# Altium PCB ruler.PcbDoc (part 1 of 3)
Units mm, origin at the board's own origin, x right, y up, seen from the top; angles counter-clockwise.
Board outline 306.81 x 38.35 mm, 2 copper layers (Top Layer, Bottom Layer); 47 components, 0 nets, 446 pads, 8 vias.
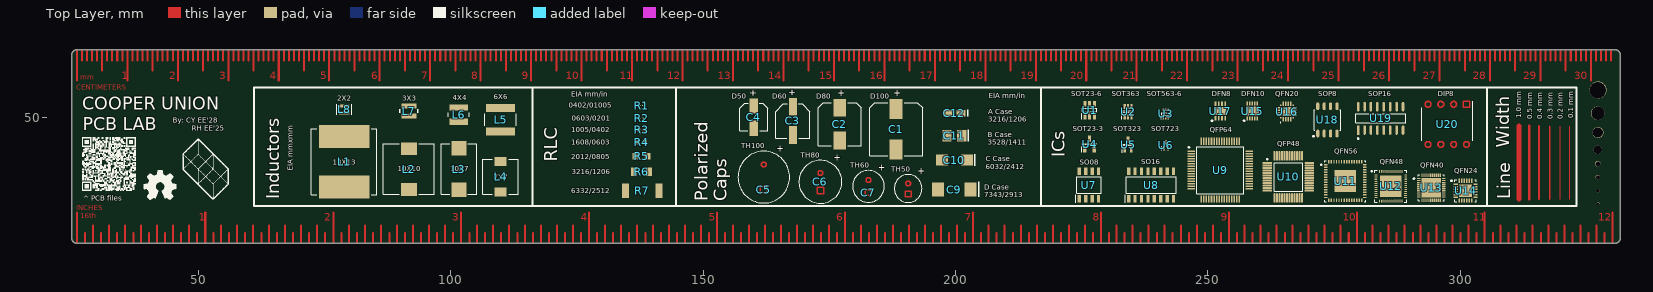
[diagram p0: Top Layer view]
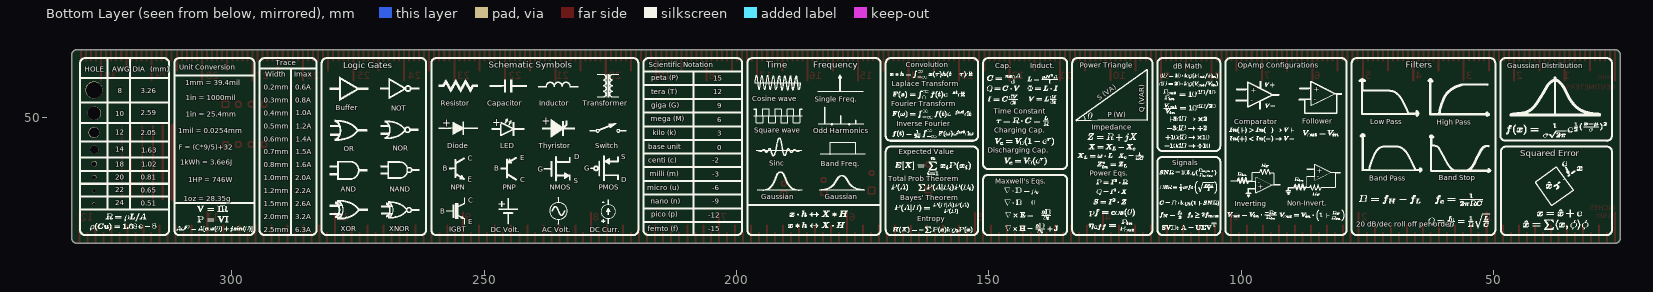
[diagram p1: Bottom Layer view, seen from below]

## Layer stack, top to bottom
Top Solder: solder mask 0.0102, Solder Resist, Dk 3.5
Top Layer: signal copper 0.0356
Dielectric 1: dielectric 0.32, FR-4, Dk 4.8
Bottom Layer: signal copper 0.0356
Bottom Solder: solder mask 0.0102, Solder Resist, Dk 3.5

## Board outline
24.9,26.019 24.9,62.373 cw(c25.9,62.373) 25.9,63.373 330.708,63.373 cw(c330.708,62.373) 331.708,62.373 331.708,26.019 cw(c330.708,26.019) 330.708,25.019 25.9,25.019 cw(c25.9,26.019)

## Design rules (kind name [scope] priority, off if disabled: settings)
Clearance [All] p1: gap=0.15 ignorepadtopadclearanceinfootprint=FALSE
HoleSize [All] p1: absolutevalues=TRUE maxlimit=6 minlimit=0.025 maxpercent=80.000 minpercent=20.000
MinimumSolderMaskSliver [All] p1: minsoldermaskwidth=0.1
PolygonConnect [All] p1: connectstyle=Relief reliefconductorwidth=0.254 reliefentries=4 polygonreliefangle="90 Angle" airgapwidth=0.254
RoutingVias [All] p1: holewidth=0.711 width=1.27 viastyle="Through Hole" minholewidth=0.125 minwidth=0.125 maxholewidth=6.3 maxwidth=6.3
SilkToSilkClearance [All] p1: silktosilkclearance=0.15
SilkToSolderMaskClearance [IsPad] p1: minsilkscreentomaskgap=0.15 clearancetoexposedcopper=TRUE
SolderMaskExpansion [All] p1: expansion=0.102 istentingtop=FALSE
UnRoutedNet [All] p1 off:
Width [All] p1: maxlimit=1 minlimit=0.1 preferedwidth=0.254
25 further rules are at their usual default settings.

## Components (designator, comment, footprint, x,y, rotation, side; value= is the part's Value field where it differs from the comment)
C1 "UWT1E471MNL1GS" FP-UWT1E471MNL1GS-MFG 188.214,47.625 r90 top
C2 "UWT1H101MNL1GS" FP-UWT1H101MNL1GS-MFG 177.038,48.641 r90 top
C3 "865080343009" WCAP-ASLI_D6.3H5.5 167.767,49.276 r90 top
C4 "865080642006" WCAP-ASLI_D5H5.5 160.02,50.038 r90 top
C5 "UHE1H221MPD" CAPPRD500W60D1025H1750 162.016,35.64 r90 top
C6 "860040674004" WCAP-ATUL_D8H11.5 173.228,37.211 r270 top
C7 "ESK107M025AE3AA" CAPPRD250W50D630H1250 182.753,35.06 r90 top
C8 "860020672006" WCAP-ATG5_D5H11 1460.627,-1234.11 r270 top
C9 "EEF-HX0D561R4" HX_Series 199.771,35.687 r180 top
C10 "T491C335K035AT" T491C 199.771,41.529 r180 top
C11 "T495B475K016ATE800" T495B 199.771,46.355 r0 top
C12 "T494A226M010AT" T494A 199.771,50.8 r0 top
L1 "HC1-100-R" HC1100R 78.867,41.195 r90 top
L2 "SLF10145T-681MR38" SLF10145 91.694,39.751 r90 top
L3 "FP1010R1-R150-R" FP1010R1R150R 101.6,39.751 r90 top
L4 "SRR7045-102M" SRR7045102M 109.855,38.227 r0 top
L5 "NR6028T470M" FP-NR6028-MFG 109.855,49.53 r270 top
L6 "NRS4018T220MDGJ" FP-NR4018-MFG 101.6,50.512 r270 top
L7 "VLS3010CX-100M-1" VLS3010 91.694,51.21 r270 top
L8 "NRS2012T2R2MGJ" FP-NRS2012-MFG 78.886,51.562 r90 top
R1 "ERJ-XGNJ180Y" ERJXG_(01005) 137.795,52.324 r0 top
R2 "ERJ-1GJF3003C" ERJ1GJJ2R4C 137.795,49.784 r0 top
R3 "ERJ-PA2J3R3X" RESC1005X40N 137.795,47.498 r0 top
R4 "ERA-3ARB112V" ERA3AEB101V 137.795,45.085 r0 top
R5 "ERJ-UP6D1100V" ERJUP6 137.795,42.291 r0 top
R6 "ERA-8AEB102V" RESC3216X70N 137.795,39.243 r0 top
R7 "ERJ-1TRQFR68U" ER1TR_(2512) 137.922,35.433 r0 top
U1 "MCP1501T-20E_CHY" SOT95P280X145-6N 226.568,51.435 r90 top
U2 "DCX114EU-7-F" SOT65P210X110-6N 234.188,51.11 r90 top
U3 "NSBC114EPDXV6T1G" SOTFL50P160X60-6N 241.681,50.673 r90 top
U4 "MCP1799T-5002H_TT" SOT95P237X112-3N 226.568,44.704 r90 top
U5 "BAV99WT1G" SOT65P220X100-3N 234.188,44.577 r90 top
U6 "DTC143ZMT2L" SOT40P120X55-3N 241.681,44.45 r90 top
U7 "LP2998MA_NOPB" SOIC127P600X175-8N 226.441,36.576 r90 top
U8 "LT1184CS#PBF" SOIC127P599X175-16N 238.76,36.576 r90 top
U9 "XMC1404F064X0200AAXUMA1" QFP50P1200X1200X160-64N 252.476,39.547 r0 top
U10 "EFM32TG222F32-QFP48" ENMR-TQFP48_M 265.938,38.197 r0 top
U11 "USB3250-ABZJ" FP-56QFN-4304-8x8B-MFG 277.241,37.36 r0 top
U12 "AS3604B-ZQFP" AMS-QFN-48-6000X6000DE-4300X4300TP_L 286.258,36.322 r0 top
U13 "EFR32BG22C224F512IM40-C" FP-EFR32BG22C224F512IM40-MFG 294.259,36.035 r0 top
U14 "CP2102N-A01-GQFN24" SLAB-QFN-24-2550x2550TP_A_V 301.072,35.447 r0 top
U15 "C8051F527A-IM" SON50P300X300X100-11N-D 258.826,51.236 r90 top
U16 "EFM8BB51F16I-C-QFN20R" EFM8BB51F16ICQFN20R 265.68,51.136 r90 top
U17 "PIC12LF1822T-I_MF" SON65P300X300X100-9N-D 252.476,51.236 r90 top
U18 "R1EX24032ASAS0I#S0" SOP127P600X173-8_PRSP0008DF-B_N 273.685,49.487 r90 top
U19 "ST232BDR" FP-SO-16-0016020D-IPC_C 284.226,49.784 r90 top
U20 "SN75454BPE4" DIP794W53P254L959H508Q8N 297.434,48.6 r270 top

## Footprints (in the part's own frame and the unit in brackets; to place one, negate y for a bottom-side part, rotate by r counter-clockwise, add the part's x,y. Pads: shape width x height; smd on the part's side, far side on the other; paste and mask are expansions set on the pad)
AMS-QFN-48-6000X6000DE-4300X4300TP_L [mm] "QFN, 48-Leads, Body 6.00x6.00mm, Pitch 0.40mm, Thermal Pad 4.30x4.30mm, IPC High Density"
  oval 0.6x0.2 smd mask+0: 1(-2.95,2.2) 2(-2.95,1.8) 3(-2.95,1.4) 4(-2.95,1) 5(-2.95,0.6) 6(-2.95,0.2) 7(-2.95,-0.2) 8(-2.95,-0.6) 9(-2.95,-1) 10(-2.95,-1.4) 11(-2.95,-1.8) 12(-2.95,-2.2) 25(2.95,-2.2) 26(2.95,-1.8) 27(2.95,-1.4) 28(2.95,-1) 29(2.95,-0.6) 30(2.95,-0.2) 31(2.95,0.2) 32(2.95,0.6) 33(2.95,1) 34(2.95,1.4) 35(2.95,1.8) 36(2.95,2.2)
  oval 0.2x0.6 smd mask+0: 13(-2.2,-2.95) 14(-1.8,-2.95) 15(-1.4,-2.95) 16(-1,-2.95) 17(-0.6,-2.95) 18(-0.2,-2.95) 19(0.2,-2.95) 20(0.6,-2.95) 21(1,-2.95) 22(1.4,-2.95) 23(1.8,-2.95) 24(2.2,-2.95) 37(2.2,2.95) 38(1.8,2.95) 39(1.4,2.95) 40(1,2.95) 41(0.6,2.95) 42(0.2,2.95) 43(-0.2,2.95) 44(-0.6,2.95) 45(-1,2.95) 46(-1.4,2.95) 47(-1.8,2.95) 48(-2.2,2.95)
  rect 4.3x4.3 smd mask+0: ""(0,0)
  silkscreen extent -3.92,-3.15 3.15,3.15, body extent -3,-3 3,3, height 0.9
CAPPRD250W50D630H1250 [mm]
  silkscreen extent -1.9,-3.15 4.4,3.15, body extent -2.14,-3.4 4.64,3.4, height 12.3
CAPPRD500W60D1025H1750 [mm]
  silkscreen extent -2.62,-5.13 7.62,5.13, body extent -2.5,-4.99 7.53,4.99, height 17.52
DIP794W53P254L959H508Q8N [mm]
  silkscreen extent -4.53,-5.08 3.3,5.08, body extent -4.1,-4.64 4.1,4.64, height 4.21
EFM8BB51F16ICQFN20R [mm]
  rect 0.3x0.3 smd mask+0: 1(-1.25,1.25) 6(-1.25,-1.25) 11(1.25,-1.25) 16(1.25,1.25)
  rect 0.9x0.3 smd mask+0: 2(-1.55,0.75) 3(-1.55,0.25) 4(-1.55,-0.25) 5(-1.55,-0.75) 12(1.55,-0.75) 13(1.55,-0.25) 14(1.55,0.25) 15(1.55,0.75)
  rect 0.3x0.9 smd mask+0: 7(-0.75,-1.55) 8(-0.25,-1.55) 9(0.25,-1.55) 10(0.75,-1.55) 17(0.75,1.55) 18(0.25,1.55) 19(-0.25,1.55) 20(-0.75,1.55)
  rect 1.8x1.8 smd mask+0: 21(0,0)
  silkscreen extent -2.2,1.2 -2.1,1.3, body extent -1.5,-1.5 1.5,1.5, height 0.9
ENMR-TQFP48_M [mm] "QFP, 48-Leads, Body 7x7mm, Pitch 0.5mm, IPC Low Density"
  oval 1.9x0.4 smd mask+0: 1(-4.175,2.75) 2(-4.175,2.25) 3(-4.175,1.75) 4(-4.175,1.25) 5(-4.175,0.75) 6(-4.175,0.25) 7(-4.175,-0.25) 8(-4.175,-0.75) 9(-4.175,-1.25) 10(-4.175,-1.75) 11(-4.175,-2.25) 12(-4.175,-2.75) 25(4.175,-2.75) 26(4.175,-2.25) 27(4.175,-1.75) 28(4.175,-1.25) 29(4.175,-0.75) 30(4.175,-0.25) 31(4.175,0.25) 32(4.175,0.75) 33(4.175,1.25) 34(4.175,1.75) 35(4.175,2.25) 36(4.175,2.75)
  oval 0.4x1.9 smd mask+0: 13(-2.75,-4.175) 14(-2.25,-4.175) 15(-1.75,-4.175) 16(-1.25,-4.175) 17(-0.75,-4.175) 18(-0.25,-4.175) 19(0.25,-4.175) 20(0.75,-4.175) 21(1.25,-4.175) 22(1.75,-4.175) 23(2.25,-4.175) 24(2.75,-4.175) 37(2.75,4.175) 38(2.25,4.175) 39(1.75,4.175) 40(1.25,4.175) 41(0.75,4.175) 42(0.25,4.175) 43(-0.25,4.175) 44(-0.75,4.175) 45(-1.25,4.175) 46(-1.75,4.175) 47(-2.25,4.175) 48(-2.75,4.175)
  silkscreen extent -4.3,-2.83 2.83,3.62, body extent -3.5,-3.5 3.5,3.5, height 1.2
ER1TR_(2512) [mm]
  rect 1.45x2.9 smd: 1(-3.325,0) 2(3.325,0)
  body extent -3.2,-1.6 3.2,1.6, height 0.6
ERA3AEB101V [mm]
  rect 0.65x0.9 smd: 1(-0.725,0) 2(0.725,0)
  body extent -0.8,-0.4 0.8,0.4, height 0.45
ERJ1GJJ2R4C [mm]
  rect 0.275x0.3 smd: 1(-0.313,0) 2(0.313,0)
  body extent -0.3,-0.15 0.3,0.15, height 0.23
ERJUP6 [mm]
  rect 1.15x1.25 smd: 1(-1.175,0) 2(1.175,0)
  body extent -1,-0.63 1,0.63, height 0.6
ERJXG_(01005) [mm]
  rect 0.213x0.225 smd: 1(-0.194,0) 2(0.194,0)
  body extent -0.2,-0.1 0.2,0.1, height 0.13
FP1010R1R150R [mm]
  rect 2.8x3 smd: 1(-4.1,0) 2(4.1,0)
  silkscreen extent -5,-3.5 5,3.5, body extent -5.22,-3.5 5.22,3.5, height 10.1
FP-56QFN-4304-8x8B-MFG [mm]
  rect 0.69x0.28 smd paste-1000 mask+0: 1(-3.845,3.25) 2(-3.845,2.75) 3(-3.845,2.25) 4(-3.845,1.75) 5(-3.845,1.25) 6(-3.845,0.75) 7(-3.845,0.25) 8(-3.845,-0.25) 9(-3.845,-0.75) 10(-3.845,-1.25) 11(-3.845,-1.75) 12(-3.845,-2.25) 13(-3.845,-2.75) 14(-3.845,-3.25) 29(3.845,-3.25) 30(3.845,-2.75) 31(3.845,-2.25) 32(3.845,-1.75) 33(3.845,-1.25) 34(3.845,-0.75) 35(3.845,-0.25) 36(3.845,0.25) 37(3.845,0.75) 38(3.845,1.25) 39(3.845,1.75) 40(3.845,2.25) 41(3.845,2.75) 42(3.845,3.25)
  rect 0.28x0.69 smd paste-1000 mask+0: 15(-3.25,-3.845) 16(-2.75,-3.845) 17(-2.25,-3.845) 18(-1.75,-3.845) 19(-1.25,-3.845) 20(-0.75,-3.845) 21(-0.25,-3.845) 22(0.25,-3.845) 23(0.75,-3.845) 24(1.25,-3.845) 25(1.75,-3.845) 26(2.25,-3.845) 27(2.75,-3.845) 28(3.25,-3.845) 43(3.25,3.845) 44(2.75,3.845) 45(2.25,3.845) 46(1.75,3.845) 47(1.25,3.845) 48(0.75,3.845) 49(0.25,3.845) 50(-0.25,3.845) 51(-0.75,3.845) 52(-1.25,3.845) 53(-1.75,3.845) 54(-2.25,3.845) 55(-2.75,3.845) 56(-3.25,3.845)
  rect 4.3x4.3 smd paste+0 mask+0: 57(0,0)
  silkscreen extent -4.87,-4.08 4.08,4.08, body extent -4.29,-4.29 4.29,4.29, height 0.25
FP-EFR32BG22C224F512IM40-MFG [mm]
  rect 0.74x0.22 smd paste+0 mask+0: 1(-2.495,1.8) 2(-2.495,1.4) 3(-2.495,1) 4(-2.495,0.6) 5(-2.495,0.2) 6(-2.495,-0.2) 7(-2.495,-0.6) 8(-2.495,-1) 9(-2.495,-1.4) 10(-2.495,-1.8) 21(2.495,-1.8) 22(2.495,-1.4) 23(2.495,-1) 24(2.495,-0.6) 25(2.495,-0.2) 26(2.495,0.2) 27(2.495,0.6) 28(2.495,1) 29(2.495,1.4) 30(2.495,1.8)
  rect 0.22x0.74 smd paste+0 mask+0: 11(-1.8,-2.495) 12(-1.4,-2.495) 13(-1,-2.495) 14(-0.6,-2.495) 15(-0.2,-2.495) 16(0.2,-2.495) 17(0.6,-2.495) 18(1,-2.495) 19(1.4,-2.495) 20(1.8,-2.495) 31(1.8,2.495) 32(1.4,2.495) 33(1,2.495) 34(0.6,2.495) 35(0.2,2.495) 36(-0.2,2.495) 37(-0.6,2.495) 38(-1,2.495) 39(-1.4,2.495) 40(-1.8,2.495)
  rect 3.85x3.85 smd paste-1000 mask+0: 41(0,0)
  silkscreen extent -3.55,-2.55 2.55,2.55, body extent -2.97,-2.97 2.97,2.97, height 0.25
FP-NR4018-MFG [mm]
  rect 1.2x3.7 smd paste+0: 1(-1.4,0) 2(1.4,0)
  silkscreen extent -0.43,-2.1 0.43,2.1, body extent -2.2,-2.2 2.2,2.2, height 0.25
FP-NR6028-MFG [mm]
  rect 1.6x5.7 smd paste+0: 1(-2.35,0) 2(2.35,0)
  silkscreen extent -1.17,-3.1 1.17,3.1, body extent -3.25,-3.2 3.25,3.2, height 0.25
FP-NRS2012-MFG [mm]
  rect 0.65x2 smd paste+0: 1(-0.675,0)
  rect 0.65x2 smd paste+0 mask+0.1: 2(0.675,0)
  silkscreen extent -1.05,-1.49 1.06,1.53, body extent -1.15,-1.15 1.15,1.15, height 0.25
FP-SO-16-0016020D-IPC_C [mm]
  rect 1.874x0.501 smd paste+0 mask+0: 1(-2.316,4.445)
  rrect100% 1.874x0.501 smd paste+0 mask+0: 2(-2.316,3.175) 3(-2.316,1.905) 4(-2.316,0.635) 5(-2.316,-0.635) 6(-2.316,-1.905) 7(-2.316,-3.175) 8(-2.316,-4.445) 9(2.316,-4.445) 10(2.316,-3.175) 11(2.316,-1.905) 12(2.316,-0.635) 13(2.316,0.635) 14(2.316,1.905) 15(2.316,3.175) 16(2.316,4.445)
  silkscreen extent -4.13,-4.95 0.88,4.95, body extent -3.35,-5.05 3.35,5.05, height 0.25
FP-UWT1E471MNL1GS-MFG [mm]
  rect 4x2.5 smd paste+0: 1(-4,0) 2(4,0)
  silkscreen extent -5.25,-5.25 5.25,5.25, body extent -6.25,-5.5 6.25,5.5, height 0.25
FP-UWT1H101MNL1GS-MFG [mm]
  rect 3.5x2.5 smd paste+0: 1(-3.25,0) 2(3.25,0)
  silkscreen extent -4.25,-4.25 4.25,4.25, body extent -5.25,-4.5 5.25,4.5, height 0.25
HC1100R [mm]
  rect 4.5x10 smd: 1(-5,0) 2(5,0)
  silkscreen extent -6.5,-6.5 6.5,6.5, body extent -6.8,-6.5 6.8,6.5, height 10.1
HX_Series [mm]
  rect 2.4x2.8 smd: 1(-3.2,0) 2(3.2,0)
  body extent -3.75,-2.2 3.65,2.1, height 1.98
QFP50P1200X1200X160-64N [mm]
  rect 1.475x0.3 smd mask+0: 1(-5.738,3.75) 2(-5.738,3.25) 3(-5.738,2.75) 4(-5.738,2.25) 5(-5.738,1.75) 6(-5.738,1.25) 7(-5.738,0.75) 8(-5.738,0.25) 9(-5.738,-0.25) 10(-5.738,-0.75) 11(-5.738,-1.25) 12(-5.738,-1.75) 13(-5.738,-2.25) 14(-5.738,-2.75) 15(-5.738,-3.25) 16(-5.738,-3.75) 33(5.738,-3.75) 34(5.738,-3.25) 35(5.738,-2.75) 36(5.738,-2.25) 37(5.738,-1.75) 38(5.738,-1.25) 39(5.738,-0.75) 40(5.738,-0.25) 41(5.738,0.25) 42(5.738,0.75) 43(5.738,1.25) 44(5.738,1.75) 45(5.738,2.25) 46(5.738,2.75) 47(5.738,3.25) 48(5.738,3.75)
  rect 0.3x1.475 smd mask+0: 17(-3.75,-5.738) 18(-3.25,-5.738) 19(-2.75,-5.738) 20(-2.25,-5.738) 21(-1.75,-5.738) 22(-1.25,-5.738) 23(-0.75,-5.738) 24(-0.25,-5.738) 25(0.25,-5.738) 26(0.75,-5.738) 27(1.25,-5.738) 28(1.75,-5.738) 29(2.25,-5.738) 30(2.75,-5.738) 31(3.25,-5.738) 32(3.75,-5.738) 49(3.75,5.738) 50(3.25,5.738) 51(2.75,5.738) 52(2.25,5.738) 53(1.75,5.738) 54(1.25,5.738) 55(0.75,5.738) 56(0.25,5.738) 57(-0.25,5.738) 58(-0.75,5.738) 59(-1.25,5.738) 60(-1.75,5.738) 61(-2.25,5.738) 62(-2.75,5.738) 63(-3.25,5.738) 64(-3.75,5.738)
  silkscreen extent -6.35,-4.65 4.65,4.65, body extent -6,-6 6,6, height 1.5
RESC1005X40N [mm]
  rect 0.75x0.6 smd: 1(-0.55,0) 2(0.55,0)
  body extent -0.5,-0.25 0.5,0.25, height 0.4
RESC3216X70N [mm]
  rect 1.15x1.7 smd: 1(-1.5,0) 2(1.5,0)
  body extent -1.6,-0.8 1.6,0.8, height 0.6
SLAB-QFN-24-2550x2550TP_A_V [mm] "QFN, 6-Leads, Body 4x4mm, Pitch 0.5mm, Thermal Pad 2.55x2.55mm"
  rect 0.85x0.3 smd mask+0: 1(-1.95,1.25) 2(-1.95,0.75) 3(-1.95,0.25) 4(-1.95,-0.25) 5(-1.95,-0.75) 6(-1.95,-1.25) 13(1.95,-1.25) 14(1.95,-0.75) 15(1.95,-0.25) 16(1.95,0.25) 17(1.95,0.75) 18(1.95,1.25)
  rect 0.3x0.85 smd mask+0: 7(-1.25,-1.95) 8(-0.75,-1.95) 9(-0.25,-1.95) 10(0.25,-1.95) 11(0.75,-1.95) 12(1.25,-1.95) 19(1.25,1.95) 20(0.75,1.95) 21(0.25,1.95) 22(-0.25,1.95) 23(-0.75,1.95) 24(-1.25,1.95)
  rect 2.55x2.55 smd mask+0: 25(0,0)
  silkscreen extent -2.92,-2.15 2.15,2.15, body extent -2,-2 2,2, height 0.8
SLF10145 [mm]
  rect 2.5x3.2 smd: 1(-4.05,0) 2(4.05,0)
  silkscreen extent -5.05,-5.05 5.05,5.05, body extent -5.05,-5.05 5.05,5.05, height 4.5
SOIC127P599X175-16N [mm]
  rect 1.526x0.65 smd mask+0: 1(-2.712,4.445) 2(-2.712,3.175) 3(-2.712,1.905) 4(-2.712,0.635) 5(-2.712,-0.635) 6(-2.712,-1.905) 7(-2.712,-3.175) 8(-2.712,-4.445) 9(2.712,-4.445) 10(2.712,-3.175) 11(2.712,-1.905) 12(2.712,-0.635) 13(2.712,0.635) 14(2.712,1.905) 15(2.712,3.175) 16(2.712,4.445)
  silkscreen extent -3.47,-4.95 1.6,5.12, body extent -3,-4.95 3,4.95, height 1.75
SOIC127P600X175-8N [mm]
  rect 1.525x0.65 smd mask+0: 1(-2.712,1.905) 2(-2.712,0.635) 3(-2.712,-0.635) 4(-2.712,-1.905) 5(2.712,-1.905) 6(2.712,-0.635) 7(2.712,0.635) 8(2.712,1.905)
  silkscreen extent -3.47,-2.45 1.6,2.58, body extent -3,-2.45 3,2.45, height 1.75
SON50P300X300X100-11N-D [mm]
  rect 0.8x0.3 smd mask+0: 1(-1.5,1) 2(-1.5,0.5) 3(-1.5,0) 4(-1.5,-0.5) 5(-1.5,-1) 6(1.5,-1) 7(1.5,-0.5) 8(1.5,0) 9(1.5,0.5) 10(1.5,1)
  rect 1.8x2.53 smd mask+0: 11(0,0)
  silkscreen extent -2.02,1.52 -1.78,1.77, body extent -1.55,-1.5 1.55,1.5, height 1
SON65P300X300X100-9N-D [mm]
  rect 0.9x0.35 smd mask+0: 1(-1.45,0.975) 2(-1.45,0.325) 3(-1.45,-0.325) 4(-1.45,-0.975) 5(1.45,-0.975) 6(1.45,-0.325) 7(1.45,0.325) 8(1.45,0.975)
  rect 1.6x2.4 smd mask+0: 9(0,0)
  silkscreen extent -2.02,1.52 -1.78,1.77, body extent -1.55,-1.5 1.55,1.5, height 1
SOP127P600X173-8_PRSP0008DF-B_N [mm] "SOP, 8-Leads, Body 5.02x3.90mm, Pitch 1.27mm, IPC Medium Density"
  rrect100% 1.55x0.6 smd mask+0: 1(-2.7,1.905) 2(-2.7,0.635) 3(-2.7,-0.635) 4(-2.7,-1.905) 5(2.7,-1.905) 6(2.7,-0.635) 7(2.7,0.635) 8(2.7,1.905)
  silkscreen extent -3.35,-2.64 2.01,2.88, body extent -3.72,-2.83 3.73,2.83, height 0.25
SOT40P120X55-3N [mm]
  rect 0.85x0.4 smd mask+0: 1(-0.6,0.4) 2(-0.6,-0.4) 3(0.6,0)
  silkscreen extent -1.02,0.85 -0.18,0.85, body extent -0.6,-0.6 0.6,0.6, height 0.55
SOT65P210X110-6N [mm]
  rect 1x0.4 smd mask+0: 1(-1,0.65) 2(-1,0) 3(-1,-0.65) 4(1,-0.65) 5(1,0) 6(1,0.65)
  silkscreen extent -1.5,-1 0.15,1.2, body extent -1.05,-1 1.05,1, height 1.1
SOT65P220X100-3N [mm]
  rect 1.15x0.55 smd mask+0: 1(-1,0.65) 2(-1,-0.65) 3(1,0)
  silkscreen extent -1.58,-1 0.08,1.17, body extent -1.1,-1 1.1,1, height 1
SOT95P237X112-3N [mm]
  rect 1.25x0.65 smd mask+0: 1(-1.05,0.95) 2(-1.05,-0.95) 3(1.05,0)
  silkscreen extent -1.68,-1.43 0.08,1.53, body extent -1.18,-1.43 1.18,1.43, height 1.12
SOT95P280X145-6N [mm]
  rect 1.15x0.6 smd mask+0: 1(-1.25,0.95) 2(-1.25,0) 3(-1.25,-0.95) 4(1.25,-0.95) 5(1.25,0) 6(1.25,0.95)
  silkscreen extent -1.83,-1.45 0.33,1.6, body extent -1.4,-1.45 1.4,1.45, height 1.45
SOTFL50P160X60-6N [mm]
  rect 0.475x0.3 smd mask+0: 1(-0.838,0.5) 2(-0.838,0) 3(-0.838,-0.5) 4(0.838,-0.5) 5(0.838,0) 6(0.838,0.5)
  silkscreen extent -1.07,-0.8 0.25,0.9, body extent -0.8,-0.8 0.8,0.8, height 0.6
SRR7045102M [mm]
  rect 2.4x1.8 smd: 1(0,-3) 2(0,3)
  silkscreen extent -3.5,-3.5 3.5,3.5, body extent -3.5,-3.72 3.5,3.72, height 4.9
T491C [mm]
  rect 2.37x2.23 smd: 1(-2.47,0) 2(2.47,0)
  body extent -3.15,-1.75 3.15,1.75, height 2.81
T494A [mm]
  rect 1.8x1.23 smd: 1(-1.31,0) 2(1.31,0)
  body extent -1.7,-0.9 1.7,0.9, height 1.81
T495B [mm]
  rect 1.8x2.23 smd: 1(-1.46,0) 2(1.46,0)
  body extent -1.85,-1.5 1.85,1.5, height 2.1
VLS3010 [mm]
  rect 1x3 smd: 1(-1,0) 2(1,0)
  body extent -1.5,-1.51 1.5,1.51, height 1
WCAP-ASLI_D5H5.5 [mm] "Aluminium Electrolytic V-Chip SMT Capacitors, 5x5.5mm"
  rect 3x1.6 smd: 1(2.2,0) 2(-2.2,0)
  silkscreen extent -2.75,-2.75 2.75,2.75, body extent -3,-2.65 3,2.65, height 5.5
WCAP-ASLI_D6.3H5.5 [mm] "Aluminium Electrolytic V-Chip SMT Capacitors, 6.3x5.5mm"
  rect 3.5x1.6 smd: 1(2.8,0) 2(-2.8,0)
  silkscreen extent -3.4,-3.4 3.4,3.4, body extent -3.65,-3.3 3.65,3.3, height 5.5
WCAP-ATG5_D5H11 [mm] "Aluminum Electrolytic Capacitors, 5x11mm"
  silkscreen extent -1272.75,-1272.75 -1267.25,-1267.25, body extent -1272.49,-1272.5 -1267.5,-1267.5, height 11.31
WCAP-ATUL_D8H11.5 [mm] "Aluminum Electrolytic Capacitors, 8x11.5mm"
  silkscreen extent -4.25,-4.25 4.25,4.25, body extent -3.99,-4 4,4, height 11.81

## Part data
C1: library part CMP-12462-000037-1, "CAP ALUM 470UF 20% 25V SMD", Capacitance=470uF, Case/Package=Radial, Dielectric Material=Aluminium, Leakage Current=3uA, Max Operating Temperature=105°C, Min Operating Temperature=-55°C, Package Quantity=500, Ripple Current=300mA, Tolerance=20%, Voltage=25V, Construction=Cylindrical, Diameter=10mm, Dissipation Factor=0.16%, Height=10mm, Height - Seated (Max)=0.394inch, Lead Diameter=1.1mm, Lead Free="Lead Free", Lead Pitch=4.5mm, Length=10mm, Life (Hours)=1000Hour, Mount="Surface Mount", Number of Pins=2, Packaging="Tape and Reel", Radiation Hardening=No, REACH SVHC="No SVHC", Ripple Current (AC)=300mA, RoHS Compliant=Yes, Series=WT, Termination=SMD/SMT, Voltage Rating=25V, Voltage Rating (DC)=25V
C2: library part CMP-2000-07373-2, "CAP ALUM 100UF 20% 50V SMD", Capacitance=100uF, Case/Package=Radial, Dielectric Material=Aluminium, Leakage Current=3uA, Max Operating Temperature=105°C, Min Operating Temperature=-55°C, Package Quantity=500, Ripple Current=140mA, Tolerance=20%, Voltage=50V, Construction=Cylindrical, Diameter=8mm, Dissipation Factor=0.14%, Height=10mm, Height - Seated (Max)=0.413inch, Lead Free="Lead Free", Length=10mm, Life (Hours)=1000Hour, Mount="Surface Mount", Number of Pins=2, Packaging="Tape and Reel", Radiation Hardening=No, REACH SVHC="No SVHC", Ripple Current (AC)=140mA, RoHS Compliant=Yes, Series=WT, Termination=SMD/SMT, Voltage Rating=50V, Voltage Rating (DC)=50V
C3: library part CMP-03913-53914574-1, "865080343009 WCAP-ASLI Aluminum Electrolytic Capacitors", Capacitance=100µF, Case/Package=Radial, ESR (Equivalent Series Resistance)=399.422mΩ, Insulation Resistance=1MΩ, Leakage Current=16µA, Max Operating Temperature=105°C, Min Operating Temperature=-55°C, Ripple Current=255mA, Tolerance=20%, Voltage Rating=16V, Diameter=6.3mm, Height=5.5mm, Height - Seated (Max)=5.5118mm, Impedance=520mΩ, Lead Free="Lead Free", Length=5.5mm, Life (Hours)=2000hours, Mount="Surface Mount", NexarPartId=53914574, Packaging="Tape & Reel (TR)", Polarity=Polar, REACH SVHC=Unknown, Ripple Current (AC)=255mA, RoHS=Compliant, Voltage Rating (DC)=16V, Width=6.6mm
C4: library part CMP-03913-53914615-1, "865080642006 WCAP-ASLI Aluminum Electrolytic Capacitors", Capacitance=10µF, Case/Package=Radial, ESR (Equivalent Series Resistance)=1.63932Ω, Insulation Resistance=10MΩ, Leakage Current=5µA, Max Operating Temperature=105°C, Min Operating Temperature=-55°C, Ripple Current=95mA, Tolerance=20%, Voltage Rating=50V, Diameter=5mm, Height=5.5mm, Height - Seated (Max)=5.5118mm, Impedance=2.8Ω, Length=5.5mm, Life (Hours)=2000hours, Mount="Surface Mount", NexarPartId=53914615, Packaging="Cut Tape (CT)", Polarity=Polar, REACH SVHC=Unknown, Ripple Current (AC)=95mA, RoHS=Compliant, Voltage Rating (DC)=50V, Width=5.3mm
C5: "Capacitor Polarised", Manufacturer_Name=Nichicon, Mouser Part Number=647-UHE1H221MPD, Arrow Part Number=UHE1H221MPD, Arrow Price/Stock=https://www.arrow.com/en/products/uhe1h221mpd/nichicon?utm_currency=USD&region=nac, Datasheet Link=http://nichicon-us.com/english/products/pdfs/e-uhe.pdf, Height=17.5mm, Manufacturer_Part_Number=UHE1H221MPD, Mouser Price/Stock=https://www.mouser.co.uk/ProductDetail/Nichicon/UHE1H221MPD?qs=HkjdomHsiM8vBbPWt47Ogg%3D%3D
C6: library part CMP-03913-53914310-1, "860040674004 WCAP-ATUL Aluminum Electrolytic Capacitors", Capacitance=100µF, Case/Package=Radial, Leakage Current=50µA, Max Operating Temperature=105°C, Min Operating Temperature=-40°C, Ripple Current=680mA, Tolerance=20%, Voltage Rating=50V, Diameter=8mm, Height=11.5mm, Height - Seated (Max)=13.0048mm, Impedance=160mΩ, Lead Pitch=3.5052mm, Length=11.5mm, Life (Hours)=7000hours, Mount="Through Hole", NexarPartId=53914310, Packaging="Tape & Box (TB)", Pitch=3.5mm, Polarity=Polar, REACH SVHC=Unknown, RoHS=Compliant, Voltage Rating (DC)=50V
C7: "Capacitor Polarised", Manufacturer_Name=KEMET, Mouser Part Number=80-ESK107M025AE3AA, Arrow Part Number=ESK107M025AE3AA, Arrow Price/Stock=https://www.arrow.com/en/products/esk107m025ae3aa/kemet-corporation, Datasheet Link=https://content.kemet.com/datasheets/KEM_A4004_ESK.pdf, Height=12.5mm, Manufacturer_Part_Number=ESK107M025AE3AA, Mouser Price/Stock=https://www.mouser.co.uk/ProductDetail/KEMET/ESK107M025AE3AA?qs=907G%252Bm7SbTsCEGMWVdzeXA%3D%3D
C8: library part CMP-03913-53914229-1, "860020672006 WCAP-ATG5 Aluminum Electrolytic Capacitors", Capacitance=2.2µF, Case/Package=Radial, Leakage Current=3µA, Max Operating Temperature=105°C, Min Operating Temperature=-40°C, Ripple Current=20mA, Tolerance=20%, Voltage Rating=50V, Diameter=5mm, Height=11mm, Height - Seated (Max)=12.4968mm, Lead Pitch=2.0066mm, Length=11mm, Life (Hours)=2000hours, Mount="Through Hole", NexarPartId=53914229, Packaging="Tape & Box (TB)", Pitch=2mm, Polarity=Polar, REACH SVHC=Unknown, RoHS=Compliant, Voltage Rating (DC)=50V
C9: "Capacitor Polarised", Manufacturer_Name=Panasonic, Mouser Part Number=667-EEF-HX0D561R4, Arrow Part Number=EEF-HX0D561R4, Arrow Price/Stock=https://www.arrow.com/en/products/eef-hx0d561r4/panasonic?region=nac, Datasheet Link=https://industrial.panasonic.com/cdbs/www-data/pdf/ABE0000/ABE0000C90.pdf, Height=2mm, Manufacturer_Part_Number=EEF-HX0D561R4, Mouser Price/Stock=https://www.mouser.co.uk/ProductDetail/Panasonic/EEF-HX0D561R4?qs=XtgyILOJlWPLbP5rg%2FixBQ%3D%3D
C10: "Capacitor Polarised", Manufacturer_Name=KEMET, Mouser Part Number=80-T491C335K035, Arrow Part Number=T491C335K035AT, Arrow Price/Stock=https://www.arrow.com/en/products/t491c335k035at/kemet-corporation?region=europe, Datasheet Link=https://content.kemet.com/datasheets/KEM_T2005_T491.pdf, Height=2.8mm, Manufacturer_Part_Number=T491C335K035AT, Mouser Price/Stock=https://www.mouser.co.uk/ProductDetail/KEMET/T491C335K035AT?qs=qfhfvpM3tghah%2FdvWnQejA%3D%3D
C11: "Capacitor Polarised", Manufacturer_Name=KEMET, Mouser Part Number=80-T495B475K16ATE800, Arrow Part Number=T495B475K016ATE800, Arrow Price/Stock=https://www.arrow.com/en/products/t495b475k016ate800/kemet-corporation, Datasheet Link=https://content.kemet.com/datasheets/KEM_T2009_T495.pdf, Height=2.1mm, Manufacturer_Part_Number=T495B475K016ATE800, Mouser Price/Stock=https://www.mouser.co.uk/ProductDetail/KEMET/T495B475K016ATE800?qs=dnvuLCnOKpthNwmIUPliMw%3D%3D
C12: "Capacitor Polarised", Manufacturer_Name=KEMET, Mouser Part Number=80-T494A226M010, Datasheet Link=https://content.kemet.com/datasheets/KEM_T2008_T494.pdf, Height=1.8mm, Manufacturer_Part_Number=T494A226M010AT, Mouser Price/Stock=https://www.mouser.co.uk/ProductDetail/KEMET/T494A226M010AT?qs=Ql1pWNiwXgajRWlSWe6JnA%3D%3D
L1: "Inductor", Manufacturer_Name=Eaton, Mouser Part Number=704-HC1-100-R, Arrow Part Number=HC1-100-R, Arrow Price/Stock=https://www.arrow.com/en/products/hc1-100-r/eaton?region=nac, Datasheet Link=https://www.eaton.com/content/dam/eaton/products/electronic-components/resources/data-sheet/eaton-hc1-high-current-inductor-data-sheet.pdf, Height=10mm, Manufacturer_Part_Number=HC1-100-R, Mouser Price/Stock=https://www.mouser.co.uk/ProductDetail/Eaton-Electronics/HC1-100-R?qs=yzwxPInThYSDEsv3O8Y5%252Bg%3D%3D
L2: "Inductor", Manufacturer_Name=TDK, Mouser Part Number=810-SLF10145-681MR38, Manufacturer_Part_Number=SLF10145T-681MR38, Mouser Price/Stock=https://www.mouser.co.uk/ProductDetail/TDK/SLF10145T-681MR38?qs=stv2FWaTEl%252BNZxZNDG6UIw%3D%3D
L3: "Inductor", Manufacturer_Name=Eaton, Mouser Part Number=504-FP1010R1-R150-R, Datasheet Link=https://www.eaton.com/content/dam/eaton/products/electronic-components/resources/data-sheet/eaton-fp1010r-high-current-power-inductors-data-sheet.pdf, Height=10mm, Manufacturer_Part_Number=FP1010R1-R150-R, Mouser Price/Stock=https://www.mouser.co.uk/ProductDetail/Bussmann-Eaton/FP1010R1-R150-R?qs=BZBei1rCqCC7kcbKCasqag%3D%3D
L4: "Inductor", Manufacturer_Name=Bourns, Mouser Part Number=652-SRR7045-102M, Arrow Part Number=SRR7045-102M, Arrow Price/Stock=https://www.arrow.com/en/products/srr7045-102m/bourns?region=nac, Datasheet Link=https://www.bourns.com/pdfs/SRR7045.pdf, Height=4.8mm, Manufacturer_Part_Number=SRR7045-102M, Mouser Price/Stock=https://www.mouser.co.uk/ProductDetail/Bourns/SRR7045-102M?qs=y9m3SKnhpLNQW0CEuyCgJw%3D%3D
L5: library part CMP-14484-001222-1, "SMD Power Inductors 47uH ±20% 0.92A 0.39Ω", Case/Package=2424, Current Rating=920mA, DC Resistance (DCR)=390mR, Inductance=47uH, Inductance Tolerance=20%, Max Operating Temperature=120°C, Min Operating Temperature=-25°C, Package Quantity=2000, Resistor Type=Wirewound, Saturation Current=950mA, Self Resonant Frequency=8MHz, Test Frequency=100kHz, Core Material=Ferrite, Halogen Free="Halogen Free", Height=2.8mm, Height - Seated (Max)=0.11inch, Length=0.236inch, Max DC Current=920mA, Mount="Surface Mount", Number of Pins=2, Packaging="Tape and Reel", RMS Current (Irms)=920mA, RoHS Compliant=Yes, Series=NR, Shielding=Shielded, Termination=SMD/SMT, Tolerance=20%, Width=0.236inch
L6: library part CMP-14484-001399-1, "SMD Power Inductors 22uH ±20% 0.72A 0.348Ω", Case/Package=4018, Current Rating=720mA, DC Resistance (DCR)=348mR, Inductance=22uH, Inductance Tolerance=20%, Max Operating Temperature=125°C, Min Operating Temperature=-25°C, Package Quantity=3500, Resistor Type=Wirewound, Saturation Current=900mA, Self Resonant Frequency=15MHz, Test Frequency=100kHz, Core Material=Ferrite, Depth=4.2mm, Halogen Free="Halogen Free", Height=1.8mm, Height - Seated (Max)=0.071inch, Lead Free="Lead Free", Lead Pitch=2.8mm, Length=4mm, Max DC Current=720mA, Mount="Surface Mount", Number of Pins=2, Packaging="Tape and Reel", Radiation Hardening=No, REACH SVHC="No SVHC", RMS Current (Irms)=720mA, RoHS Compliant=Yes, Series=NRS, Shielding=Shielded, Termination=SMD/SMT, Tolerance=20%, Width=0.157inch
L7: "Inductor", Manufacturer_Name=TDK, Mouser Part Number=810-VLS3010CX100M1, Arrow Part Number=VLS3010CX-100M-1, Arrow Price/Stock=https://www.arrow.com/en/products/vls3010cx-100m-1/tdk?utm_currency=USD&region=nac, Datasheet Link=https://product.tdk.com/system/files/dam/doc/product/inductor/inductor/smd/catalog/inductor_commercial_power_vls3010cx-1_en.pdf, Manufacturer_Part_Number=VLS3010CX-100M-1, Mouser Price/Stock=https://www.mouser.co.uk/ProductDetail/TDK/VLS3010CX-100M-1?qs=sPbYRqrBIVmMLVtWqVWK7g%3D%3D
L8: library part CMP-14484-000742-1, "Shielded Wirewound Inductor 2.2uH 20% 1.5A 0.1284Ω SMD", Case/Package=Nonstandard, Current Rating=1.37A, DC Resistance (DCR)=107mR, Inductance=2.2uH, Max DC Current=1.35A, Max Operating Temperature=120°C, Min Operating Temperature=-25°C, Package Quantity=2500, Test Frequency=100kHz, Tolerance=20%, Core Material=Ferrite, Halogen Free="Halogen Free", Height=1.2mm, Height - Seated (Max)=0.047inch, Length=0.079inch, Mount="Surface Mount", Packaging="Tape and Reel", RoHS Compliant=Yes, Saturation Current=1.35A, Shielding=Shielded, Termination=SMD/SMT, Width=0.079inch
R1: "Resistor", Manufacturer_Name=Panasonic, Mouser Part Number=667-ERJ-XGNJ180Y, Datasheet Link=https://industrial.panasonic.com/cdbs/www-data/pdf/RDA0000/AOA0000C301.pdf, Height=0.15mm, Manufacturer_Part_Number=ERJ-XGNJ180Y, Mouser Price/Stock=https://www.mouser.co.uk/ProductDetail/Panasonic/ERJ-XGNJ180Y?qs=9gtMhpKs0nFk3pYNjHEbcQ%3D%3D
R2: "Resistor", Manufacturer_Name=Panasonic, Mouser Part Number=667-ERJ-1GJF3003C, Datasheet Link=https://industrial.panasonic.com/cdbs/www-data/pdf/RDA0000/AOA0000C304.pdf, Height=0.26mm, Manufacturer_Part_Number=ERJ-1GJF3003C, Mouser Price/Stock=https://www.mouser.co.uk/ProductDetail/Panasonic/ERJ-1GJF3003C?qs=OcgtsXO%252B3gtYOv79pS6CzQ%3D%3D
R3: "Resistor", Manufacturer_Name=Panasonic, Datasheet Link=https://industrial.panasonic.com/cdbs/www-data/pdf/RDO0000/AOA0000C331.pdf, Height=0.4mm, Manufacturer_Part_Number=ERJ-PA2J3R3X
R4: "Resistor", Manufacturer_Name=Panasonic, Mouser Part Number=667-ERA-3ARB112V, Datasheet Link=https://industrial.panasonic.com/cdbs/www-data/pdf/RDM0000/AOA0000C307.pdf, Height=0.55mm, Manufacturer_Part_Number=ERA-3ARB112V, Mouser Price/Stock=https://www.mouser.com/Search/Refine.aspx?Keyword=667-ERA-3ARB112V
R5: "Resistor", Manufacturer_Name=Panasonic, Mouser Part Number=667-ERJ-UP6D1100V, Arrow Part Number=ERJ-UP6D1100V, Arrow Price/Stock=https://www.arrow.com/en/products/erj-up6d1100v/panasonic?region=nac, Datasheet Link=https://industrial.panasonic.com/cdbs/www-data/pdf/RDP0000/AOA0000C337.pdf, Height=0.7mm, Manufacturer_Part_Number=ERJ-UP6D1100V, Mouser Price/Stock=https://www.mouser.co.uk/ProductDetail/Panasonic/ERJ-UP6D1100V?qs=ZcfC38r4PovnndfGA3dQ%2FQ%3D%3D
R6: "Resistor", Manufacturer_Name=Panasonic, Mouser Part Number=667-ERA-8AEB102V, Arrow Part Number=ERA-8AEB102V, Arrow Price/Stock=https://www.arrow.com/en/products/era-8aeb102v/panasonic?utm_currency=USD&region=nac, Datasheet Link=https://industrial.panasonic.com/cdbs/www-data/pdf/RDM0000/AOA0000C307.pdf, Height=0.7mm, Manufacturer_Part_Number=ERA-8AEB102V, Mouser Price/Stock=https://www.mouser.co.uk/ProductDetail/Panasonic/ERA-8AEB102V?qs=Ojoo2rCVP9R3RwZw0XjknA%3D%3D
R7: "Resistor", Manufacturer_Name=Panasonic, Mouser Part Number=667-ERJ-1TRQFR68U, Arrow Part Number=ERJ-1TRQFR68U, Arrow Price/Stock=http://www.arrow.com/en/products/erj-1trqfr68u/panasonic, Datasheet Link=http://industrial.panasonic.com/cdbs/www-data/pdf/RDN0000/AOA0000C313.pdf, Height=0.7mm, Manufacturer_Part_Number=ERJ-1TRQFR68U, Mouser Price/Stock=https://www.mouser.co.uk/ProductDetail/Panasonic/ERJ-1TRQFR68U?qs=KH2o3k57USgNjqoTZI41Yg%3D%3D
U1: "Undefined or Miscellaneous", Arrow Part Number=MCP1501T-20E/CHY, Manufacturer_Name=Microchip, Mouser Part Number=579-MCP1501T-20E/CHY, Arrow Price/Stock=https://www.arrow.com/en/products/mcp1501t-20echy/microchip-technology?region=nac, Datasheet Link=http://ww1.microchip.com/downloads/en/DeviceDoc/20005474E.pdf, Height=1.45mm, Manufacturer_Part_Number=MCP1501T-20E/CHY, Mouser Price/Stock=https://www.mouser.co.uk/ProductDetail/Microchip-Technology/MCP1501T-20E-CHY?qs=8cKuZ6Ok2laZOTxy%252BagHYQ%3D%3D
U2: "Transistor", Manufacturer_Name="Diodes Incorporated", Mouser Part Number=621-DCX114EU-F, Arrow Part Number=DCX114EU-7-F, Arrow Price/Stock=https://www.arrow.com/en/products/dcx114eu-7-f/diodes-incorporated?region=nac, Datasheet Link=https://www.diodes.com//assets/Datasheets/DCX_XXXX_U.pdf, Height=1.1mm, Manufacturer_Part_Number=DCX114EU-7-F, Mouser Price/Stock=https://www.mouser.co.uk/ProductDetail/Diodes-Incorporated/DCX114EU-7-F?qs=FWY5TENB76K1Fe%2F9QqOVGw%3D%3D
U3: "Transistor", Manufacturer_Name=onsemi, Mouser Part Number=863-NSBC114EPDXV6T1G, Arrow Part Number=NSBC114EPDXV6T1G, Arrow Price/Stock=https://www.arrow.com/en/products/nsbc114epdxv6t1g/on-semiconductor, Datasheet Link=https://www.onsemi.com/pub/Collateral/DTC114EP-D.PDF, Height=0.6mm, Manufacturer_Part_Number=NSBC114EPDXV6T1G, Mouser Price/Stock=https://www.mouser.co.uk/ProductDetail/onsemi/NSBC114EPDXV6T1G?qs=ZXBb0xZ9WeA8U8vrzPHhpw%3D%3D
U4: "Integrated Circuit", Arrow Part Number=MCP1799T-5002H/TT, Manufacturer_Name=Microchip, Mouser Part Number=579-CP1799T-5002H/TT, Arrow Price/Stock=https://www.arrow.com/en/products/mcp1799t-5002htt/microchip-technology?region=nac, Datasheet Link=https://eu.mouser.com/datasheet/2/268/MCP1799-Data-Sheet-20006248A-1658571.pdf, Height=1.12mm, Manufacturer_Part_Number=MCP1799T-5002H/TT, Mouser Price/Stock=https://www.mouser.co.uk/ProductDetail/Microchip-Technology/MCP1799T-5002H-TT?qs=BJlw7L4Cy7%2Fnzou%252BAWMPCQ%3D%3D
U5: "Diode", Manufacturer_Name=onsemi, Mouser Part Number=863-BAV99WT1G, Arrow Part Number=BAV99WT1G, Arrow Price/Stock=https://www.arrow.com/en/products/bav99wt1g/on-semiconductor?region=europe, Datasheet Link=https://www.onsemi.com/pub/Collateral/BAV99WT1-D.PDF, Height=1mm, Manufacturer_Part_Number=BAV99WT1G, Mouser Price/Stock=https://www.mouser.co.uk/ProductDetail/onsemi/BAV99WT1G?qs=vLkC5FC1VN9SjWG14gepYQ%3D%3D
U6: "Integrated Circuit", Manufacturer_Name="ROHM Semiconductor", Mouser Part Number=755-DTC143ZMT2L, Arrow Part Number=DTC143ZMT2L, Arrow Price/Stock=https://www.arrow.com/en/products/dtc143zmt2l/rohm-semiconductor, Datasheet Link=https://componentsearchengine.com/Datasheets/2/DTC143ZMT2L.pdf, Height=0.55mm, Manufacturer_Part_Number=DTC143ZMT2L, Mouser Price/Stock=https://www.mouser.co.uk/ProductDetail/ROHM-Semiconductor/DTC143ZMT2L?qs=4kLU8WoGk0vYvE9YcoCW%2Fw%3D%3D
U7: "Integrated Circuit", Arrow Part Number=LP2998MA/NOPB, Manufacturer_Name="Texas Instruments", Mouser Part Number=926-LP2998MA/NOPB, Arrow Price/Stock=https://www.arrow.com/en/products/lp2998manopb/texas-instruments?region=nac, Datasheet Link=http://www.ti.com/lit/ds/symlink/lp2998.pdf, Height=1.75mm, Manufacturer_Part_Number=LP2998MA/NOPB, Mouser Price/Stock=https://www.mouser.co.uk/ProductDetail/Texas-Instruments/LP2998MA-NOPB?qs=1FNqv8aZn1TaSlCYzX0F8g%3D%3D
U8: "Integrated Circuit", Manufacturer_Name="Analog Devices", Mouser Part Number=584-LT1184CS#PBF, Arrow Part Number=LT1184CS#PBF, Arrow Price/Stock=https://www.arrow.com/en/products/lt1184cspbf/analog-devices?region=nac, Datasheet Link=https://www.analog.com/LT1184/datasheet, Height=1.752mm, Manufacturer_Part_Number=LT1184CS#PBF, Mouser Price/Stock=https://www.mouser.co.uk/ProductDetail/Analog-Devices/LT1184CSPBF?qs=ytflclh7QUX%2F8pNs5%2FDriw%3D%3D
U9: "Integrated Circuit", Manufacturer_Name=Infineon, Mouser Part Number=726-1404F064X0200AAX, Arrow Part Number=XMC1404F064X0200AAXUMA1, Arrow Price/Stock=https://www.arrow.com/en/products/xmc1404f064x0200aaxuma1/cypress-semiconductor?region=nac, Datasheet Link=https://www.infineon.com/dgdl/Infineon-XMC1400-DS-v01_03-EN.pdf?fileId=5546d46250cc1fdf015110a2596343b2, Height=1.6mm, Manufacturer_Part_Number=XMC1404F064X0200AAXUMA1, Mouser Price/Stock=https://www.mouser.co.uk/ProductDetail/Infineon-Technologies/XMC1404F064X0200AAXUMA1?qs=RJIhqtkBntMgBBT277ER3w%3D%3D
U10: library part CMP-0270-00194-1, "EFM32 Tiny Gecko, M3 ARM Cortex CPU, 32 KB Flash, 4 KB RAM, 1.85 - 3.8 V Supply, 32 MHz Max Speed, -40 to 85 degC, 48-Pin TQFP, RoHS Compliant", Generic Part Number=EFM32TG222, Supply Voltage (V)="1.85 - 3.8", ADC=Y, AES=Y, ARM Cortex CPU=M3, ComponentLink1Description="Manufacturer URL", ComponentLink1URL=http://www.energymicro.com/, ComponentLink2Description=Datasheet, ComponentLink2URL=http://cdn.energymicro.com/dl/devices/pdf/d0051_efm32tg222_datasheet.pdf, ComponentLink3Description="Package Specification", ComponentLink3URL=http://cdn.energymicro.com/dl/devices/pdf/d0033_efm32g222_datasheet.pdf, DatasheetVersion="Rev 1.00", Flash (KB)=32, GPIO=37, LESENSE=Y, Max Speed (MHz)=32, Mounting Technology="Surface Mount", OPAMPS=3, PackageDescription="48-Pin Quad Flat Package, Body 7 x 7 mm, Pitch 0.5 mm", PackageReference=TQFP48, PackageVersion="Rev. 98SPP48097A_XO_30Mar11", PartNumber=EFM32TG222F32-QFP48, RAM (KB)=4, Subcategory="EFM32 Tiny Gecko"
U11: library part CMP-00252-24995440-1, "USB3250-ABZJ IC Usb 2.0 Phy Utmi 56QFN / Phy 1-CH 12MBPS/480MBPS 1.8V/3.3V 56-PIN QFN Tray", Ambient Temperature Range High=85°C, Case/Package=QFN, Max Supply Voltage=3.6V, Min Operating Temperature=-40°C, Min Supply Voltage=1.6V, Nominal Supply Current=460mA, Operating Supply Voltage=3.3V, Data Rate=480Mbps, ESD Protection=Yes, Height=950µm, Interface=USB, Lead Free="Lead Free", Length=8.15mm, Lifecycle Status=Production, Max Operating Temperature=85°C, Mount="Surface Mount", NexarPartId=24995440, Number of Channels=1, Number of Pins=56, Number of Ports=1, Number of Transceivers=1, Operating Supply Current=460mA, Packaging="Cut Tape", Radiation Hardening=No, REACH SVHC="No SVHC", RoHS=Compliant, Schedule B="8542310000, 8542310000", USB Standard="USB 2.0", Weight=191.387631mg, Width=8.15mm
U12: library part CMP-0551-00052-2, "Multi-Standard Power Management Unit with 1 Buck DCDC, 5 RF LDOs, 2 Digital LDOs, QFN-48, Pb-Free, Reel", Curr. Sinks=4x160mA, Manufacturer=AMS, Audio ADC=FALSE, Audio DAC=FALSE, Audio Features="0.5W Stereo", Charge Pump=5V/30mA, Charger Startup Seq.="\"LinearCustom\",\"8x\"", Code_JEDEC=MO-220, ComponentLink1Description="Manufacturer URL", ComponentLink1URL=www.ams.com, ComponentLink2Description=Datasheet, ComponentLink2URL=http://www.ams.com/eng/content/download/35028/492693/file/AS3604_Datasheet_v1_22.pdf, DatasheetVersion="Rev. 1.22", DC-DC Step down="500 mA", DC-DC Step up="45mA (Backlight)", Digital LDOs=2x250mA, GP ADC="10 Bit", Mounting Technology="Surface Mount", PackageDescription="48-Pin Plastic Quad Flatpack, No Leads, 6 x 6 mm Body, 0.4 mm Pitch, 4.3 x 4.3 mm Exposed Pad", PackageReference=QFN-48, PackageVersion="Rev. 1.22, 08/2009", PartNumber=AS3604B-ZQFP, RF LDOs="3x200mA, 2x150mA"
U13: library part CMP-08140-000035-1, "BLUE GECKO, QFN40, SECURE BOOT W", RoHS Compliant=Yes
U14: library part CMP-2000-07570-1, "USBXpress(TM) Family, 4 GPIOs, 2.2 to 3.6 V, -40 to 85 degC, 24-Pin QFN, RoHS", Case\/Package=QFN, Manufacturer="Silicon Labs", Max Operating Temperature=85degC, Max Supply Voltage=3.6V, Min Operating Temperature=-40degC, Min Supply Voltage=3V, Package Description="24-Pin Quad Flat No-lead Package, Body 4 x 4 mm, Pitch 0.5 mm", Package Reference=QFN-24-2550x2550TP_A, Datasheet URL=http://www.silabs.com/documents/public/data-sheets/cp2102n-datasheet.pdf, Datasheet Version="Rev. 1.1, 08/2016", Manufacturer URL=http://www.silabs.com/, Mounting Technology=SurfaceMount, Number of Pins=24, REACH SVHC=Unknown, RoHSCompliant=False
U15: "Integrated Circuit", Manufacturer_Name="Silicon Labs", Mouser Part Number=634-C8051F527A-IM, Arrow Part Number=C8051F527A-IM, Arrow Price/Stock=https://www.arrow.com/en/products/c8051f527a-im/silicon-labs, Datasheet Link=http://www.silabs.com/documents/public/data-sheets/C8051F52x-F53x.pdf, Height=1mm, Manufacturer_Part_Number=C8051F527A-IM, Mouser Price/Stock=https://www.mouser.co.uk/ProductDetail/Silicon-Labs/C8051F527A-IM?qs=EIgIgHbwPd2ZnHOb5mQUdA%3D%3D
U16: "Integrated Circuit", Manufacturer_Name="Silicon Labs", Mouser Part Number=634-EFM851F16IQFN20R, Datasheet Link=https://www.silabs.com/documents/public/data-sheets/efm8bb51-datasheet.pdf, Height=0.8mm, Manufacturer_Part_Number=EFM8BB51F16I-C-QFN20R, Mouser Price/Stock=https://www.mouser.co.uk/ProductDetail/Silicon-Labs/EFM8BB51F16I-C-QFN20R?qs=7D1LtPJG0i1b0vbDDJZGSQ%3D%3D
U17: "Integrated Circuit", Arrow Part Number=PIC12LF1822T-I/MF, Manufacturer_Name=Microchip, Mouser Part Number=579-PIC12LF1822TI/MF, Arrow Price/Stock=https://www.arrow.com/en/products/pic12lf1822t-imf/microchip-technology?region=nac, Datasheet Link=https://componentsearchengine.com/Datasheets/1/PIC12LF1822T-I_MF.pdf, Height=1mm, Manufacturer_Part_Number=PIC12LF1822T-I/MF, Mouser Price/Stock=https://www.mouser.co.uk/ProductDetail/Microchip-Technology/PIC12LF1822T-I-MF?qs=jecpP1bYcZQUF17R1GX6Gw%3D%3D
U18: library part CMP-00572-21273460-1, "Two-wire serial interface 32k EEPROM (4-kword × 8-bit)", Case/Package=SOP, Frequency=400kHz, Manufacturer Lifecycle Status=ACTIVE, Max Input Voltage=5.5V, Max Operating Temperature=85°C, Min Input Voltage=1.8V, Min Operating Temperature=-40°C, Nominal Supply Current=3mA, Access Time=900ns, China RoHS=Compliant, Clock Rate=400kHz, ComponentLink1Description="Manufacturer's Website", ComponentLink1URL=http://www.renesas.com, ComponentLink2Description="Datasheet URL", ComponentLink2URL=https://octopart.com/cad-content/api/get-model-datasheet/15189/21273460, ComponentLink3Description="Manufacturer's Package Drawing", ComponentLink3URL=https://www.renesas.com/en/document/psc/package-drawing-sop-8pin-prsp0008df-b, Density=32kb, Height=1.73mm, HelpURL=https://octopart.com/cad-content/api/get-model-datasheet/15189/21273460, Interface=I2C, Lead Free="Lead Free", Length=5mm, Lifecycle Status=Production, Max Frequency=400kHz, Max Supply Voltage=5.5V, Memory Size=32kB, Memory Type=EEPROM, Min Supply Voltage=1.8V, Mount="Surface Mount", Number of Pins=8, Radiation Hardening=No, RoHS=Compliant, Width=4mm
U19: library part CMP-12111-000001-1, "IC TRANSCEIVER FULL 2/2 16SO", Manufacturer=STMicroelectronics, Max Supply Voltage=5.5V, Min Supply Voltage=4.5V, Nominal Supply Current=5mA, Package=SO-16-0016020D, Temperature="-40°C to +85°C", Temperature Range High=+85°C, Temperature Range Low=-40°C, Automotive=No, Category=IC, ComponentLink2Description=Datasheet, ComponentLink2URL=https://www.st.com/resource/en/datasheet/st232b.pdf, Data Rate=220kbits/s, Device Class L1="Integrated Circuits (ICs)", Device Class L2="Interface ICs", Device Class L3="RS-232 / RS-422 / RS-485 Interface ICs", Digikey Description="IC TRANSCEIVER FULL 2/2 16SO", Height=1.75mm, Interface=RS-232, Lead Free=Yes, Manufacturer Part Number=ST232BDR, Mouser Description="Buffers & Line Drivers 5V 2Driver/2Receiver", Number Of Receivers=2, Number Of Transmitters=2, Octopart=https://octopart.com/st232bdr-stmicroelectronics-503622, RoHS=TRUE, Simplex Duplex="Full Duplex", Standoff Height=0.1mm
U20: "Integrated Circuit", Manufacturer_Name="Texas Instruments", Mouser Part Number=595-SN75454BPE4, Datasheet Link=https://www.ti.com/lit/ds/symlink/sn75454b.pdf?ts=1635139645746&ref_url=https%253A%252F%252Fwww.ti.com%252Fstore%252Fti%252Fen%252Fp%252Fproduct%252F%253Fp%253DSN75454BP, Height=5.08mm, Manufacturer_Part_Number=SN75454BPE4, Mouser Price/Stock=https://www.mouser.co.uk/ProductDetail/Texas-Instruments/SN75454BPE4?qs=o4busQjUnQbHTybAhIH7OQ%3D%3D

## Via types
v1: diameter 0.61, hole 0.51, Top Layer to Bottom Layer, 1 vias
v2: diameter 0.75, hole 0.65, Top Layer to Bottom Layer, 1 vias
v3: diameter 0.91, hole 0.81, Top Layer to Bottom Layer, 1 vias
v4: diameter 1.12, hole 1.02, Top Layer to Bottom Layer, 1 vias
v5: diameter 1.73, hole 1.63, Top Layer to Bottom Layer, 1 vias
v6: diameter 2.15, hole 2.05, Top Layer to Bottom Layer, 1 vias
v7: diameter 2.69, hole 2.59, Top Layer to Bottom Layer, 1 vias
v8: diameter 3.36, hole 3.26, Top Layer to Bottom Layer, 1 vias

## Nets (pads, with @x,y where several pads share a name; then routed paths per layer and width w, separated by ;. In a path a pad name is that pad's centre, name@x,y a point inside that pad or via, vN(x,y) a via of type N, cw(c..) or ccw(c..) an arc to the next point about the centre after c; other vN are vias at no path point)
pads on no net: C1.1 C1.2 C2.1 C2.2 C3.1 C3.2 C4.1 C4.2 C9.1 C9.2 C10.1 C10.2 C11.1 C11.2 C12.1 C12.2 L1.1 L1.2 L2.1 L2.2 L3.1 L3.2 L4.1 L4.2 L5.1 L5.2 L6.1 L6.2 L7.1 L7.2 L8.1 L8.2 R1.1 R1.2 R2.1 R2.2 R3.1 R3.2 R4.1 R4.2 R5.1 R5.2 R6.1 R6.2 R7.1 R7.2 U1.1 U1.2 U1.3 U1.4 U1.5 U1.6 U2.1 U2.2 U2.3 U2.4 U2.5 U2.6 U3.1 U3.2 U3.3 U3.4 U3.5 U3.6 U4.1 U4.2 U4.3 U5.1 U5.2 U5.3 U6.1 U6.2 U6.3 U7.1 U7.2 U7.3 U7.4 U7.5 U7.6 U7.7 U7.8 U8.1 U8.2 U8.3 U8.4 U8.5 U8.6 U8.7 U8.8 U8.9 U8.10 U8.11 U8.12 U8.13 U8.14 U8.15 U8.16 U9.1 U9.2 U9.3 U9.4 U9.5 U9.6 U9.7 U9.8 U9.9 U9.10 U9.11 U9.12 U9.13 U9.14 U9.15 U9.16 U9.17 U9.18 U9.19 U9.20 U9.21 U9.22 U9.23 U9.24 U9.25 U9.26 U9.27 U9.28 U9.29 U9.30 U9.31 U9.32 U9.33 U9.34 U9.35 U9.36 U9.37 U9.38 U9.39 U9.40 U9.41 U9.42 U9.43 U9.44 U9.45 U9.46 U9.47 U9.48 U9.49 U9.50 U9.51 U9.52 U9.53 U9.54 U9.55 U9.56 U9.57 U9.58 U9.59 U9.60 U9.61 U9.62 U9.63 U9.64 U10.1 U10.2 U10.3 U10.4 U10.5 U10.6 U10.7 U10.8 U10.9 U10.10 U10.11 U10.12 U10.13 U10.14 U10.15 U10.16 U10.17 U10.18 U10.19 U10.20 U10.21 U10.22 U10.23 U10.24 U10.25 U10.26 U10.27 U10.28 U10.29 U10.30 U10.31 U10.32 U10.33 U10.34 U10.35 U10.36 U10.37 U10.38 U10.39 U10.40 U10.41 U10.42 U10.43 U10.44 U10.45 U10.46 U10.47 U10.48 U11.1 U11.2 U11.3 U11.4 U11.5 U11.6 U11.7 U11.8 U11.9 U11.10 U11.11 U11.12 U11.13 U11.14 U11.15 U11.16 U11.17 U11.18 U11.19 U11.20 U11.21 U11.22 U11.23 U11.24 U11.25 U11.26 U11.27 U11.28 U11.29 U11.30 U11.31 U11.32 U11.33 U11.34 U11.35 U11.36 U11.37 U11.38 U11.39 U11.40 U11.41 U11.42 U11.43 U11.44 U11.45 U11.46 U11.47 U11.48 U11.49 U11.50 U11.51 U11.52 U11.53 U11.54 U11.55 U11.56 U11.57 U12. U12.1 U12.2 U12.3 U12.4 U12.5 U12.6 U12.7 U12.8 U12.9 U12.10 U12.11 U12.12 U12.13 U12.14 U12.15 U12.16 U12.17 U12.18 U12.19 U12.20 U12.21 U12.22 U12.23 U12.24 U12.25 U12.26 U12.27 U12.28 U12.29 U12.30 U12.31 U12.32 U12.33 U12.34 U12.35 U12.36 U12.37 U12.38 U12.39 U12.40 U12.41 U12.42 U12.43 U12.44 U12.45 U12.46 U12.47 U12.48 U13.1 U13.2 U13.3 U13.4 U13.5 U13.6 U13.7 U13.8 U13.9 U13.10 U13.11 U13.12 U13.13 U13.14 U13.15 U13.16 U13.17 U13.18 U13.19 U13.20 U13.21 U13.22 U13.23 U13.24 U13.25 U13.26 U13.27 U13.28 U13.29 U13.30 U13.31 U13.32 U13.33 U13.34 U13.35 U13.36 U13.37 U13.38 U13.39 U13.40 U13.41 U14.1 U14.2 U14.3 U14.4 U14.5 U14.6 U14.7 U14.8 U14.9 U14.10 U14.11 U14.12 U14.13 U14.14 U14.15 U14.16 U14.17 U14.18 U14.19 U14.20 U14.21 U14.22 U14.23 U14.24 U14.25 U15.1 U15.2 U15.3 U15.4 U15.5 U15.6 U15.7 U15.8 U15.9 U15.10 U15.11 U16.1 U16.2 U16.3 U16.4 U16.5 U16.6 U16.7 U16.8 U16.9 U16.10 U16.11 U16.12 U16.13 U16.14 U16.15 U16.16 U16.17 U16.18 U16.19 U16.20 U16.21 U17.1 U17.2 U17.3 U17.4 U17.5 U17.6 U17.7 U17.8 U17.9 U18.1 U18.2 U18.3 U18.4 U18.5 U18.6 U18.7 U18.8 U19.1 U19.2 U19.3 U19.4 U19.5 U19.6 U19.7 U19.8 U19.9 U19.10 U19.11 U19.12 U19.13 U19.14 U19.15 U19.16